# KiCad board panel.kicad_pcb (continued)
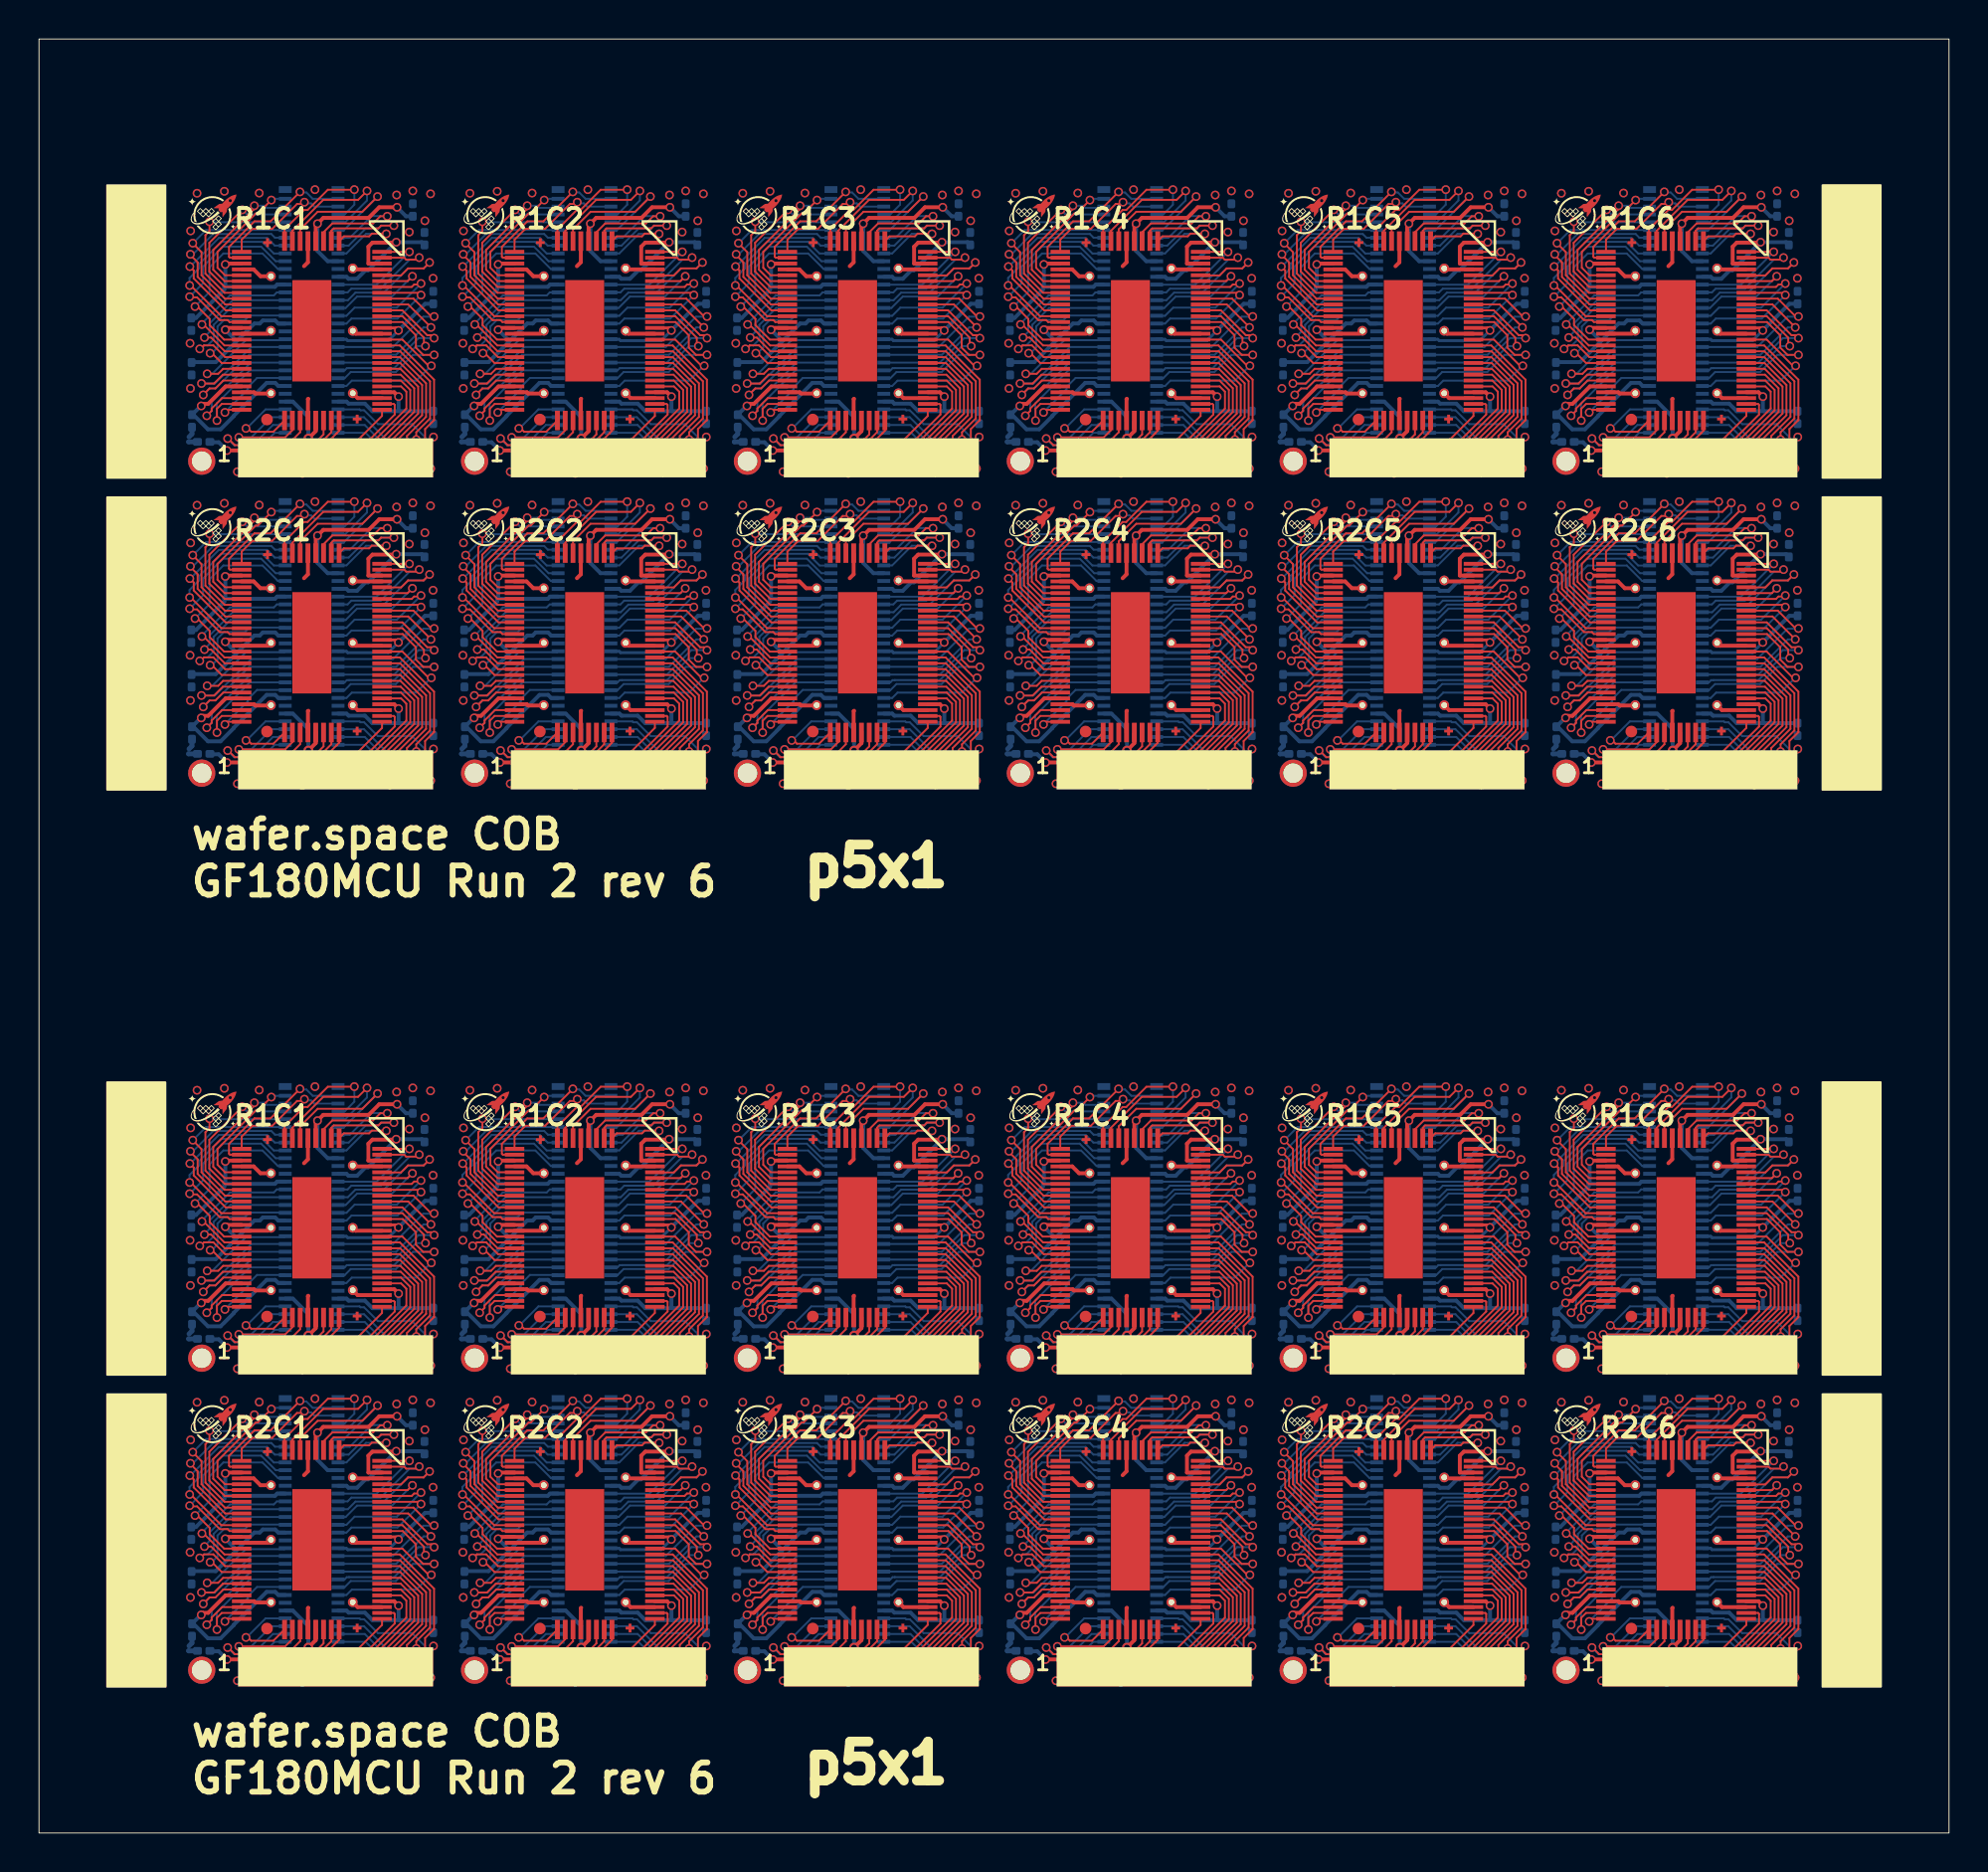
[diagram p0: board, top side]
## Routing (per net, layer and track width the routed paths; a pad name or vN(x,y) marks a point on that pad's centre or on a via; arc(x,y) is an arc through that point) (continued)
/bidir_41: length 183.9
  Top w0.1: v1(64.61,72.68) 64.86,72.93 64.86,73.05 65.39,73.58 U110.70 ; v1(64.61,10.68) 64.86,10.93 64.86,11.05 65.39,11.58 U122#2.70 ; U108.70 51.39,27.58 50.86,27.05 50.86,26.93 v1(50.61,26.68) ; v1(22.61,26.68) 22.86,26.93 22.86,27.05 23.39,27.58 U104#2.70 ; v1(78.61,26.68) 78.86,26.93 78.86,27.05 79.39,27.58 U112.70 ; U114.70 9.39,57.58 8.86,57.05 8.86,56.93 v1(8.61,56.68) ; U124.70 79.39,11.58 78.86,11.05 78.86,10.93 v1(78.61,10.68) ; v1(50.61,56.68) 50.86,56.93 50.86,57.05 51.39,57.58 U120#2.70 ; U104.70 23.39,73.58 22.86,73.05 22.86,72.93 v1(22.61,72.68) ; U106.70 37.39,27.58 36.86,27.05 36.86,26.93 v1(36.61,26.68) ; v1(78.61,56.68) 78.86,56.93 78.86,57.05 79.39,57.58 U124#2.70 ; v1(8.61,26.68) 8.86,26.93 8.86,27.05 9.39,27.58 U102#2.70 ; U108#2.70 51.39,73.58 50.86,73.05 50.86,72.93 v1(50.61,72.68) ; U118#2.70 37.39,57.58 36.86,57.05 36.86,56.93 v1(36.61,56.68) ; U116#2.70 23.39,11.58 22.86,11.05 22.86,10.93 v1(22.61,10.68) ; v1(22.61,56.68) 22.86,56.93 22.86,57.05 23.39,57.58 U116.70 ; U102.70 9.39,73.58 8.86,73.05 8.86,72.93 v1(8.61,72.68) ; v1(36.61,10.68) 36.86,10.93 36.86,11.05 37.39,11.58 U118.70 ; v1(78.61,72.68) 78.86,72.93 78.86,73.05 79.39,73.58 U112#2.70 ; v1(64.61,26.68) 64.86,26.93 64.86,27.05 65.39,27.58 U110#2.70 ; U106#2.70 37.39,73.58 36.86,73.05 36.86,72.93 v1(36.61,72.68) ; U120.70 51.39,11.58 50.86,11.05 50.86,10.93 v1(50.61,10.68) ; v1(8.61,10.68) 8.86,10.93 8.86,11.05 9.39,11.58 U114#2.70 ; v1(64.61,56.68) 64.86,56.93 64.86,57.05 65.39,57.58 U122.70
  Bottom w0.1: 40.64,75.41 38.86,75.41 36.86,73.4 36.86,72.93 v1(36.61,72.68) ; 82.64,13.41 80.86,13.41 78.86,11.4 78.86,10.93 v1(78.61,10.68) ; v1(36.61,10.68) 36.86,10.93 36.86,11.4 38.86,13.41 40.64,13.41 ; 40.64,29.41 38.86,29.41 36.86,27.4 36.86,26.93 v1(36.61,26.68) ; v1(64.61,56.68) 64.86,56.93 64.86,57.4 66.86,59.41 68.64,59.41 ; v1(50.61,56.68) 50.86,56.93 50.86,57.4 52.86,59.41 54.64,59.41 ; 26.64,13.41 24.86,13.41 22.86,11.4 22.86,10.93 v1(22.61,10.68) ; 68.64,13.41 66.86,13.41 64.86,11.4 64.86,10.93 v1(64.61,10.68) ; 12.64,13.41 10.86,13.41 8.86,11.4 8.86,10.93 v1(8.61,10.68) ; v1(78.61,26.68) 78.86,26.93 78.86,27.4 80.86,29.41 82.64,29.41 ; v1(50.61,10.68) 50.86,10.93 50.86,11.4 52.86,13.41 54.64,13.41 ; 68.64,75.41 66.86,75.41 64.86,73.4 64.86,72.93 v1(64.61,72.68) ; v1(8.61,72.68) 8.86,72.93 8.86,73.4 10.86,75.41 12.64,75.41 ; v1(22.61,56.68) 22.86,56.93 22.86,57.4 24.86,59.41 26.64,59.41 ; 26.64,75.41 24.86,75.41 22.86,73.4 22.86,72.93 v1(22.61,72.68) ; 68.64,29.41 66.86,29.41 64.86,27.4 64.86,26.93 v1(64.61,26.68) ; 82.64,59.41 80.86,59.41 78.86,57.4 78.86,56.93 v1(78.61,56.68) ; 12.64,29.41 10.86,29.41 8.86,27.4 8.86,26.93 v1(8.61,26.68) ; v1(50.61,72.68) 50.86,72.93 50.86,73.4 52.86,75.41 54.64,75.41 ; U111#2.14 80.86,75.41 78.86,73.4 78.86,72.93 v1(78.61,72.68) ; v1(50.61,26.68) 50.86,26.93 50.86,27.4 52.86,29.41 54.64,29.41 ; 12.64,59.41 10.86,59.41 8.86,57.4 8.86,56.93 v1(8.61,56.68) ; 26.64,29.41 24.86,29.41 22.86,27.4 22.86,26.93 v1(22.61,26.68) ; 40.64,59.41 38.86,59.41 36.86,57.4 36.86,56.93 v1(36.61,56.68)
/bidir_42: length 169.8
  Top w0.1: U112.71 79.38,27.29 79.13,27.04 v1(79.13,26.43) ; U110.71 65.38,73.29 65.13,73.04 v1(65.13,72.43) ; v1(51.13,10.43) 51.13,11.04 51.38,11.29 U120.71 ; U118.71 37.38,11.29 37.13,11.04 v1(37.13,10.43) ; v1(9.13,10.43) 9.13,11.04 9.38,11.29 U114#2.71 ; U104.71 23.38,73.29 23.13,73.04 v1(23.13,72.43) ; v1(37.13,56.43) 37.13,57.04 37.38,57.29 U118#2.71 ; v1(79.13,72.43) 79.13,73.04 79.38,73.29 U112#2.71 ; U124.71 79.38,11.29 79.13,11.04 v1(79.13,10.43) ; U108#2.71 51.38,73.29 51.13,73.04 v1(51.13,72.43) ; v1(23.13,10.43) 23.13,11.04 23.38,11.29 U116#2.71 ; v1(37.13,26.43) 37.13,27.04 37.38,27.29 U106.71 ; v1(51.13,56.43) 51.13,57.04 51.38,57.29 U120#2.71 ; v1(65.13,56.43) 65.13,57.04 65.38,57.29 U122.71 ; U116.71 23.38,57.29 23.13,57.04 v1(23.13,56.43) ; U108.71 51.38,27.29 51.13,27.04 v1(51.13,26.43) ; U114.71 9.38,57.29 9.13,57.04 v1(9.13,56.43) ; v1(37.13,72.43) 37.13,73.04 37.38,73.29 U106#2.71 ; U110#2.71 65.38,27.29 65.13,27.04 v1(65.13,26.43) ; v1(9.13,26.43) 9.13,27.04 9.38,27.29 U102#2.71 ; v1(79.13,56.43) 79.13,57.04 79.38,57.29 U124#2.71 ; v1(23.13,26.43) 23.13,27.04 23.38,27.29 U104#2.71 ; U102.71 9.38,73.29 9.13,73.04 v1(9.13,72.43) ; v1(65.13,10.43) 65.13,11.04 65.38,11.29 U122#2.71
  Bottom w0.1: v1(65.13,26.43) 65.12,26.44 65.12,27.31 66.81,29.01 68.64,29.01 ; v1(37.13,26.43) 37.12,26.44 37.12,27.31 38.81,29.01 40.64,29.01 ; 68.64,59.01 66.81,59.01 65.12,57.31 65.12,56.44 v1(65.13,56.43) ; U123#2.13 80.82,59.01 79.12,57.31 79.12,56.44 v1(79.13,56.43) ; 54.64,59.01 52.81,59.01 51.12,57.31 51.12,56.44 v1(51.13,56.43) ; v1(9.13,56.43) 9.12,56.44 9.12,57.31 10.81,59.01 12.64,59.01 ; 12.64,29.01 10.81,29.01 9.12,27.31 9.12,26.44 v1(9.13,26.43) ; 54.64,29.01 52.81,29.01 51.12,27.31 51.12,26.44 v1(51.13,26.43) ; v1(37.13,72.43) 37.12,72.44 37.12,73.31 38.81,75.01 40.64,75.01 ; v1(51.13,72.43) 51.12,72.44 51.12,73.31 52.81,75.01 54.64,75.01 ; v1(79.13,10.43) 79.12,10.44 79.12,11.31 80.82,13.01 U123.13 ; 12.64,13.01 10.81,13.01 9.12,11.31 9.12,10.44 v1(9.13,10.43) ; v1(79.13,72.43) 79.12,72.44 79.12,73.31 80.82,75.01 U111#2.13 ; v1(65.13,10.43) 65.12,10.44 65.12,11.31 66.81,13.01 68.64,13.01 ; v1(23.13,26.43) 23.12,26.44 23.12,27.31 24.81,29.01 26.64,29.01 ; U111.13 80.82,29.01 79.12,27.31 79.12,26.44 v1(79.13,26.43) ; v1(9.13,72.43) 9.12,72.44 9.12,73.31 10.81,75.01 12.64,75.01 ; v1(37.13,56.43) 37.12,56.44 37.12,57.31 38.81,59.01 40.64,59.01 ; v1(23.13,56.43) 23.12,56.44 23.12,57.31 24.81,59.01 26.64,59.01 ; v1(51.13,10.43) 51.12,10.44 51.12,11.31 52.81,13.01 54.64,13.01 ; 68.64,75.01 66.81,75.01 65.12,73.31 65.12,72.44 v1(65.13,72.43) ; v1(23.13,72.43) 23.12,72.44 23.12,73.31 24.81,75.01 26.64,75.01 ; v1(37.13,10.43) 37.12,10.44 37.12,11.31 38.81,13.01 40.64,13.01 ; v1(23.13,10.43) 23.12,10.44 23.12,11.31 24.81,13.01 26.64,13.01
/bidir_43: length 115.7
  Top w0.1: v1(79.54,56.85) 79.67,56.99 U124#2.72 ; U114#2.72 9.67,10.99 v1(9.54,10.85) ; v1(37.54,72.85) 37.67,72.99 38.4,72.99 ; v1(51.54,56.85) 51.67,56.99 U120#2.72 ; v1(65.54,72.85) 65.67,72.99 66.4,72.99 ; v1(37.54,26.85) 37.67,26.99 U106.72 ; U122.72 65.67,56.99 v1(65.54,56.85) ; U118#2.72 37.67,56.99 v1(37.54,56.85) ; 52.4,72.99 51.67,72.99 v1(51.54,72.85) ; v1(79.54,72.85) 79.67,72.99 80.4,72.99 ; v1(23.54,26.85) 23.67,26.99 U104#2.72 ; U112.72 79.67,26.99 v1(79.54,26.85) ; v1(23.54,10.85) 23.67,10.99 U116#2.72 ; v1(79.54,10.85) 79.67,10.99 U124.72 ; v1(65.54,26.85) 65.67,26.99 U110#2.72 ; U122#2.72 65.67,10.99 v1(65.54,10.85) ; v1(9.54,72.85) 9.67,72.99 10.4,72.99 ; v1(37.54,10.85) 37.67,10.99 U118.72 ; 24.4,72.99 23.67,72.99 v1(23.54,72.85) ; v1(9.54,26.85) 9.67,26.99 U102#2.72 ; U120.72 51.67,10.99 v1(51.54,10.85) ; v1(9.54,56.85) 9.67,56.99 U114.72 ; v1(51.54,26.85) 51.67,26.99 U108.72 ; v1(23.54,56.85) 23.67,56.99 U116.72
  Bottom w0.1: 12.64,58.61 12.62,58.62 11.19,58.62 10.72,58.15 10.72,58.04 9.54,56.86 v1(9.54,56.85) ; v1(65.54,72.85) 65.54,72.86 66.72,74.04 66.72,74.15 67.19,74.62 68.62,74.62 68.64,74.61 ; v1(65.54,26.85) 65.54,26.86 66.72,28.04 66.72,28.15 67.19,28.62 68.62,28.62 68.64,28.61 ; 26.64,58.61 26.62,58.62 25.19,58.62 24.72,58.15 24.72,58.04 23.54,56.86 v1(23.54,56.85) ; 54.64,74.61 54.62,74.62 53.19,74.62 52.72,74.15 52.72,74.04 51.54,72.86 v1(51.54,72.85) ; v1(23.54,26.85) 23.54,26.86 24.72,28.04 24.72,28.15 25.19,28.62 26.62,28.62 26.64,28.61 ; v1(37.54,26.85) 37.54,26.86 38.72,28.04 38.72,28.15 39.19,28.62 40.62,28.62 40.64,28.61 ; 26.64,12.61 26.62,12.62 25.19,12.62 24.72,12.15 24.72,12.04 23.54,10.86 v1(23.54,10.85) ; v1(79.54,10.85) 79.54,10.86 80.72,12.04 80.72,12.15 81.19,12.62 82.62,12.62 U123.12 ; 12.64,12.61 12.62,12.62 11.19,12.62 10.72,12.15 10.72,12.04 9.54,10.86 v1(9.54,10.85) ; 54.64,58.61 54.62,58.62 53.19,58.62 52.72,58.15 52.72,58.04 51.54,56.86 v1(51.54,56.85) ; 54.64,28.61 54.62,28.62 53.19,28.62 52.72,28.15 52.72,28.04 51.54,26.86 v1(51.54,26.85) ; v1(37.54,56.85) 37.54,56.86 38.72,58.04 38.72,58.15 39.19,58.62 40.62,58.62 40.64,58.61 ; 68.64,58.61 68.62,58.62 67.19,58.62 66.72,58.15 66.72,58.04 65.54,56.86 v1(65.54,56.85) ; v1(65.54,10.85) 65.54,10.86 66.72,12.04 66.72,12.15 67.19,12.62 68.62,12.62 68.64,12.61 ; v1(51.54,10.85) 51.54,10.86 52.72,12.04 52.72,12.15 53.19,12.62 54.62,12.62 54.64,12.61 ; v1(79.54,26.85) 79.54,26.86 80.72,28.04 80.72,28.15 81.19,28.62 82.62,28.62 U111.12 ; 40.64,74.61 40.62,74.62 39.19,74.62 38.72,74.15 38.72,74.04 37.54,72.86 v1(37.54,72.85) ; v1(79.54,72.85) 79.54,72.86 80.72,74.04 80.72,74.15 81.19,74.62 82.62,74.62 U111#2.12 ; v1(23.54,72.85) 23.54,72.86 24.72,74.04 24.72,74.15 25.19,74.62 26.62,74.62 26.64,74.61 ; 40.64,12.61 40.62,12.62 39.19,12.62 38.72,12.15 38.72,12.04 37.54,10.86 v1(37.54,10.85) ; v1(9.54,26.85) 9.54,26.86 10.72,28.04 10.72,28.15 11.19,28.62 12.62,28.62 12.64,28.61 ; U123#2.12 82.62,58.62 81.19,58.62 80.72,58.15 80.72,58.04 79.54,56.86 v1(79.54,56.85) ; 12.64,74.61 12.62,74.62 11.19,74.62 10.72,74.15 10.72,74.04 9.54,72.86 v1(9.54,72.85)
/clk: length 113
  Top w0.1: v1(38.62,10.03) 38.72,10.03 38.89,9.86 40.03,9.86 40.6,10.43 ; 82.6,26.43 82.03,25.86 80.89,25.86 80.72,26.03 v1(80.62,26.03) ; 82.6,56.43 82.03,55.86 80.89,55.86 80.72,56.03 v1(80.62,56.03) ; v1(24.62,56.03) 24.72,56.03 24.89,55.86 26.03,55.86 26.6,56.43 ; 54.6,56.43 54.03,55.86 52.89,55.86 52.72,56.03 v1(52.62,56.03) ; 12.6,26.43 12.03,25.86 10.89,25.86 10.72,26.03 v1(10.62,26.03) ; 26.6,72.43 26.03,71.86 24.89,71.86 24.72,72.03 v1(24.62,72.03) ; 54.6,72.43 54.03,71.86 52.89,71.86 52.72,72.03 v1(52.62,72.03) ; 40.6,26.43 40.03,25.86 38.89,25.86 38.72,26.03 v1(38.62,26.03) ; 54.6,10.43 54.03,9.86 52.89,9.86 52.72,10.03 v1(52.62,10.03) ; v1(52.62,26.03) 52.72,26.03 52.89,25.86 54.03,25.86 54.6,26.43 ; 12.6,10.43 12.03,9.86 10.89,9.86 10.72,10.03 v1(10.62,10.03) ; v1(80.62,10.03) 80.72,10.03 80.89,9.86 82.03,9.86 82.6,10.43 ; v1(24.62,10.03) 24.72,10.03 24.89,9.86 26.03,9.86 26.6,10.43 ; 40.6,72.43 40.03,71.86 38.89,71.86 38.72,72.03 v1(38.62,72.03) ; v1(38.62,56.03) 38.72,56.03 38.89,55.86 40.03,55.86 40.6,56.43 ; v1(66.62,26.03) 66.72,26.03 66.89,25.86 68.03,25.86 68.6,26.43 ; v1(24.62,26.03) 24.72,26.03 24.89,25.86 26.03,25.86 26.6,26.43 ; v1(66.62,56.03) 66.72,56.03 66.89,55.86 68.03,55.86 68.6,56.43 ; 12.6,72.43 12.03,71.86 10.89,71.86 10.72,72.03 v1(10.62,72.03) ; 12.6,56.43 12.03,55.86 10.89,55.86 10.72,56.03 v1(10.62,56.03) ; 68.6,72.43 68.03,71.86 66.89,71.86 66.72,72.03 v1(66.62,72.03) ; v1(66.62,10.03) 66.72,10.03 66.89,9.86 68.03,9.86 68.6,10.43 ; v1(80.62,72.03) 80.72,72.03 80.89,71.86 82.03,71.86 82.6,72.43
  Bottom w0.1: 82.64,27.01 81.63,27.01 80.65,26.03 v1(80.62,26.03) ; v1(66.62,72.03) 66.65,72.03 67.63,73.01 68.64,73.01 ; 40.64,57.01 39.63,57.01 38.65,56.03 v1(38.62,56.03) ; 12.64,73.01 11.63,73.01 10.65,72.03 v1(10.62,72.03) ; 82.64,11.01 81.63,11.01 80.65,10.03 v1(80.62,10.03) ; 54.64,73.01 53.63,73.01 52.65,72.03 v1(52.62,72.03) ; 54.64,57.01 53.63,57.01 52.65,56.03 v1(52.62,56.03) ; v1(38.62,26.03) 38.65,26.03 39.63,27.01 40.64,27.01 ; 82.64,57.01 81.63,57.01 80.65,56.03 v1(80.62,56.03) ; v1(24.62,56.03) 24.65,56.03 25.63,57.01 26.64,57.01 ; 68.64,27.01 67.63,27.01 66.65,26.03 v1(66.62,26.03) ; 82.64,73.01 81.63,73.01 80.65,72.03 v1(80.62,72.03) ; v1(10.62,26.03) 10.65,26.03 11.63,27.01 12.64,27.01 ; v1(52.62,10.03) 52.65,10.03 53.63,11.01 54.64,11.01 ; 40.64,73.01 39.63,73.01 38.65,72.03 v1(38.62,72.03) ; v1(24.62,26.03) 24.65,26.03 25.63,27.01 26.64,27.01 ; v1(66.62,10.03) 66.65,10.03 67.63,11.01 68.64,11.01 ; 26.64,73.01 25.63,73.01 24.65,72.03 v1(24.62,72.03) ; v1(52.62,26.03) 52.65,26.03 53.63,27.01 54.64,27.01 ; 12.64,57.01 11.63,57.01 10.65,56.03 v1(10.62,56.03) ; v1(66.62,56.03) 66.65,56.03 67.63,57.01 68.64,57.01 ; v1(10.62,10.03) 10.65,10.03 11.63,11.01 12.64,11.01 ; v1(38.62,10.03) 38.65,10.03 39.63,11.01 40.64,11.01 ; v1(24.62,10.03) 24.65,10.03 25.63,11.01 26.64,11.01
/in_0: length 198.3
  Top w0.1: v1(9.68,9.51) 9.72,9.47 9.75,9.47 10.05,9.17 12.73,9.17 13.4,9.84 U114#2.3 ; v1(9.68,71.51) 9.72,71.47 9.75,71.47 10.05,71.17 12.73,71.17 13.4,71.84 U102.3 ; v1(9.68,25.51) 9.72,25.47 9.75,25.47 10.05,25.17 12.73,25.17 13.4,25.84 U102#2.3 ; U116#2.3 27.4,9.84 26.73,9.17 24.05,9.17 23.75,9.47 23.72,9.47 v1(23.68,9.51) ; v1(23.68,55.51) 23.72,55.47 23.75,55.47 24.05,55.17 26.73,55.17 27.4,55.84 U116.3 ; v1(65.68,55.51) 65.72,55.47 65.75,55.47 66.05,55.17 68.73,55.17 69.4,55.84 U122.3 ; v1(79.68,25.51) 79.72,25.47 79.75,25.47 80.05,25.17 82.73,25.17 83.4,25.84 U112.3 ; v1(51.68,25.51) 51.72,25.47 51.75,25.47 52.05,25.17 54.73,25.17 55.4,25.84 U108.3 ; v1(23.68,25.51) 23.72,25.47 23.75,25.47 24.05,25.17 26.73,25.17 27.4,25.84 U104#2.3 ; v1(65.68,71.51) 65.72,71.47 65.75,71.47 66.05,71.17 68.73,71.17 69.4,71.84 U110.3 ; v1(79.68,55.51) 79.72,55.47 79.75,55.47 80.05,55.17 82.73,55.17 83.4,55.84 U124#2.3 ; U118#2.3 41.4,55.84 40.73,55.17 38.05,55.17 37.75,55.47 37.72,55.47 v1(37.68,55.51) ; U112#2.3 83.4,71.84 82.73,71.17 80.05,71.17 79.75,71.47 79.72,71.47 v1(79.68,71.51) ; v1(65.68,25.51) 65.72,25.47 65.75,25.47 66.05,25.17 68.73,25.17 69.4,25.84 U110#2.3 ; U118.3 41.4,9.84 40.73,9.17 38.05,9.17 37.75,9.47 37.72,9.47 v1(37.68,9.51) ; U124.3 83.4,9.84 82.73,9.17 80.05,9.17 79.75,9.47 79.72,9.47 v1(79.68,9.51) ; U106#2.3 41.4,71.84 40.73,71.17 38.05,71.17 37.75,71.47 37.72,71.47 v1(37.68,71.51) ; v1(65.68,9.51) 65.72,9.47 65.75,9.47 66.05,9.17 68.73,9.17 69.4,9.84 U122#2.3 ; v1(51.68,55.51) 51.72,55.47 51.75,55.47 52.05,55.17 54.73,55.17 55.4,55.84 U120#2.3 ; U108#2.3 55.4,71.84 54.73,71.17 52.05,71.17 51.75,71.47 51.72,71.47 v1(51.68,71.51) ; U120.3 55.4,9.84 54.73,9.17 52.05,9.17 51.75,9.47 51.72,9.47 v1(51.68,9.51) ; v1(23.68,71.51) 23.72,71.47 23.75,71.47 24.05,71.17 26.73,71.17 27.4,71.84 U104.3 ; v1(9.68,55.51) 9.72,55.47 9.75,55.47 10.05,55.17 12.73,55.17 13.4,55.84 U114.3 ; v1(37.68,25.51) 37.72,25.47 37.75,25.47 38.05,25.17 40.73,25.17 41.4,25.84 U106.3
  Bottom w0.1: 26.64,10.21 26,10.2 24.97,9.17 24.02,9.17 23.68,9.51 v1(23.68,9.51) ; v1(79.68,71.51) 79.68,71.51 80.02,71.17 80.97,71.17 82.01,72.2 82.64,72.21 ; 68.64,72.21 68,72.2 66.97,71.17 66.02,71.17 65.68,71.51 v1(65.68,71.51) ; 12.64,10.21 12,10.2 10.97,9.17 10.02,9.17 9.68,9.51 v1(9.68,9.51) ; 26.64,26.21 26,26.2 24.97,25.17 24.02,25.17 23.68,25.51 v1(23.68,25.51) ; v1(65.68,25.51) 65.68,25.51 66.02,25.17 66.97,25.17 68,26.2 68.64,26.21 ; v1(9.68,55.51) 9.68,55.51 10.02,55.17 10.97,55.17 12,56.2 12.64,56.21 ; v1(65.68,9.51) 65.68,9.51 66.02,9.17 66.97,9.17 68,10.2 68.64,10.21 ; v1(51.68,55.51) 51.68,55.51 52.02,55.17 52.97,55.17 54,56.2 54.64,56.21 ; v1(79.68,55.51) 79.68,55.51 80.02,55.17 80.97,55.17 82.01,56.2 U123#2.6 ; U111.6 82.01,26.2 80.97,25.17 80.02,25.17 79.68,25.51 v1(79.68,25.51) ; v1(51.68,25.51) 51.68,25.51 52.02,25.17 52.97,25.17 54,26.2 54.64,26.21 ; 40.64,56.21 40,56.2 38.97,55.17 38.02,55.17 37.68,55.51 v1(37.68,55.51) ; 54.64,10.21 54,10.2 52.97,9.17 52.02,9.17 51.68,9.51 v1(51.68,9.51) ; 12.64,72.21 12,72.2 10.97,71.17 10.02,71.17 9.68,71.51 v1(9.68,71.51) ; U123.6 82.01,10.2 80.97,9.17 80.02,9.17 79.68,9.51 v1(79.68,9.51) ; v1(9.68,25.51) 9.68,25.51 10.02,25.17 10.97,25.17 12,26.2 12.64,26.21 ; 40.64,72.21 40,72.2 38.97,71.17 38.02,71.17 37.68,71.51 v1(37.68,71.51) ; 40.64,10.21 40,10.2 38.97,9.17 38.02,9.17 37.68,9.51 v1(37.68,9.51) ; 26.64,56.21 26,56.2 24.97,55.17 24.02,55.17 23.68,55.51 v1(23.68,55.51) ; 54.64,72.21 54,72.2 52.97,71.17 52.02,71.17 51.68,71.51 v1(51.68,71.51) ; v1(65.68,55.51) 65.68,55.51 66.02,55.17 66.97,55.17 68,56.2 68.64,56.21 ; 40.64,26.21 40,26.2 38.97,25.17 38.02,25.17 37.68,25.51 v1(37.68,25.51) ; 26.64,72.21 26,72.2 24.97,71.17 24.02,71.17 23.68,71.51 v1(23.68,71.51)
/in_1: length 195.3
  Top w0.1: v1(24.49,24.35) 24.74,24.6 27.48,24.6 28.6,25.72 U104#2.6 ; U112#2.6 84.6,71.72 83.48,70.6 80.74,70.6 v1(80.49,70.35) ; v1(38.49,24.35) 38.74,24.6 41.48,24.6 42.6,25.72 U106.6 ; U124.6 84.6,9.72 83.48,8.6 80.74,8.6 v1(80.49,8.35) ; U122#2.6 70.6,9.72 69.48,8.6 66.74,8.6 v1(66.49,8.35) ; U102.6 14.6,71.72 13.48,70.6 10.74,70.6 v1(10.49,70.35) ; v1(52.49,70.35) 52.74,70.6 55.48,70.6 56.6,71.72 U108#2.6 ; v1(66.49,24.35) 66.74,24.6 69.48,24.6 70.6,25.72 U110#2.6 ; U104.6 28.6,71.72 27.48,70.6 24.74,70.6 v1(24.49,70.35) ; v1(66.49,70.35) 66.74,70.6 69.48,70.6 70.6,71.72 U110.6 ; v1(10.49,8.35) 10.74,8.6 13.48,8.6 14.6,9.72 U114#2.6 ; U118#2.6 42.6,55.72 41.48,54.6 38.74,54.6 v1(38.49,54.35) ; U108.6 56.6,25.72 55.48,24.6 52.74,24.6 v1(52.49,24.35) ; U102#2.6 14.6,25.72 13.48,24.6 10.74,24.6 v1(10.49,24.35) ; U118.6 42.6,9.72 41.48,8.6 38.74,8.6 v1(38.49,8.35) ; v1(24.49,54.35) 24.74,54.6 27.48,54.6 28.6,55.72 U116.6 ; U122.6 70.6,55.72 69.48,54.6 66.74,54.6 v1(66.49,54.35) ; U124#2.6 84.6,55.72 83.48,54.6 80.74,54.6 v1(80.49,54.35) ; v1(52.49,8.35) 52.74,8.6 55.48,8.6 56.6,9.72 U120.6 ; U120#2.6 56.6,55.72 55.48,54.6 52.74,54.6 v1(52.49,54.35) ; U112.6 84.6,25.72 83.48,24.6 80.74,24.6 v1(80.49,24.35) ; v1(38.49,70.35) 38.74,70.6 41.48,70.6 42.6,71.72 U106#2.6 ; U114.6 14.6,55.72 13.48,54.6 10.74,54.6 v1(10.49,54.35) ; v1(24.49,8.35) 24.74,8.6 27.48,8.6 28.6,9.72 U116#2.6
  Bottom w0.1: v1(80.49,24.35) 81.01,24.87 81.16,24.87 82.1,25.81 U111.5 ; 12.64,55.81 12.09,55.81 11.16,54.87 11.01,54.87 v1(10.49,54.35) ; v1(52.49,24.35) 53.01,24.87 53.16,24.87 54.09,25.81 54.64,25.81 ; v1(52.49,54.35) 53.01,54.87 53.16,54.87 54.09,55.81 54.64,55.81 ; 40.64,9.81 40.09,9.81 39.16,8.87 39.01,8.87 v1(38.49,8.35) ; 68.64,25.81 68.09,25.81 67.16,24.87 67.01,24.87 v1(66.49,24.35) ; 26.64,9.81 26.09,9.81 25.16,8.87 25.01,8.87 v1(24.49,8.35) ; v1(66.49,54.35) 67.01,54.87 67.16,54.87 68.09,55.81 68.64,55.81 ; 12.64,71.81 12.09,71.81 11.16,70.87 11.01,70.87 v1(10.49,70.35) ; 54.64,71.81 54.09,71.81 53.16,70.87 53.01,70.87 v1(52.49,70.35) ; U111#2.5 82.1,71.81 81.16,70.87 81.01,70.87 v1(80.49,70.35) ; v1(10.49,8.35) 11.01,8.87 11.16,8.87 12.09,9.81 12.64,9.81 ; 40.64,25.81 40.09,25.81 39.16,24.87 39.01,24.87 v1(38.49,24.35) ; 40.64,71.81 40.09,71.81 39.16,70.87 39.01,70.87 v1(38.49,70.35) ; 26.64,55.81 26.09,55.81 25.16,54.87 25.01,54.87 v1(24.49,54.35) ; v1(66.49,70.35) 67.01,70.87 67.16,70.87 68.09,71.81 68.64,71.81 ; v1(80.49,8.35) 81.01,8.87 81.16,8.87 82.1,9.81 U123.5 ; v1(52.49,8.35) 53.01,8.87 53.16,8.87 54.09,9.81 54.64,9.81 ; 40.64,55.81 40.09,55.81 39.16,54.87 39.01,54.87 v1(38.49,54.35) ; 26.64,25.81 26.09,25.81 25.16,24.87 25.01,24.87 v1(24.49,24.35) ; U123#2.5 82.1,55.81 81.16,54.87 81.01,54.87 v1(80.49,54.35) ; v1(10.49,24.35) 11.01,24.87 11.16,24.87 12.09,25.81 12.64,25.81 ; 68.64,9.81 68.09,9.81 67.16,8.87 67.01,8.87 v1(66.49,8.35) ; 26.64,71.81 26.09,71.81 25.16,70.87 25.01,70.87 v1(24.49,70.35)
/in_2: length 174.5
  Top w0.1: U116#2.7 29,9.84 27.5,8.33 25.2,8.33 v1(25.07,8.2) ; v1(25.07,24.2) 25.2,24.33 27.5,24.33 29,25.84 U104#2.7 ; U108.7 57,25.84 55.5,24.33 53.2,24.33 v1(53.07,24.2) ; U120#2.7 57,55.84 55.5,54.33 53.2,54.33 v1(53.07,54.2) ; v1(53.07,70.2) 53.2,70.33 55.5,70.33 57,71.84 U108#2.7 ; U104.7 29,71.84 27.5,70.33 25.2,70.33 v1(25.07,70.2) ; U112.7 85,25.84 83.49,24.33 81.2,24.33 v1(81.07,24.2) ; U112#2.7 85,71.84 83.49,70.33 81.2,70.33 v1(81.07,70.2) ; U124#2.7 85,55.84 83.49,54.33 81.2,54.33 v1(81.07,54.2) ; U122.7 71,55.84 69.5,54.33 67.2,54.33 v1(67.07,54.2) ; v1(11.07,70.2) 11.2,70.33 13.5,70.33 15,71.84 U102.7 ; U106#2.7 43,71.84 41.5,70.33 39.2,70.33 v1(39.07,70.2) ; U118#2.7 43,55.84 41.5,54.33 39.2,54.33 v1(39.07,54.2) ; v1(67.07,8.2) 67.2,8.33 69.5,8.33 71,9.84 U122#2.7 ; U102#2.7 15,25.84 13.5,24.33 11.2,24.33 v1(11.07,24.2) ; U106.7 43,25.84 41.5,24.33 39.2,24.33 v1(39.07,24.2) ; U124.7 85,9.84 83.49,8.33 81.2,8.33 v1(81.07,8.2) ; U110.7 71,71.84 69.5,70.33 67.2,70.33 v1(67.07,70.2) ; U116.7 29,55.84 27.5,54.33 25.2,54.33 v1(25.07,54.2) ; v1(53.07,8.2) 53.2,8.33 55.5,8.33 57,9.84 U120.7 ; U110#2.7 71,25.84 69.5,24.33 67.2,24.33 v1(67.07,24.2) ; U114#2.7 15,9.84 13.5,8.33 11.2,8.33 v1(11.07,8.2) ; U114.7 15,55.84 13.5,54.33 11.2,54.33 v1(11.07,54.2) ; v1(39.07,8.2) 39.2,8.33 41.5,8.33 43,9.84 U118.7